# Altium PCB eva01.PcbDoc (part 2 of 4)
Units mm, origin at the board's own origin, x right, y up, seen from the top; angles counter-clockwise.
Board outline 84 x 120 mm, 4 copper layers (Top Layer, Inner, GND, Bottom Layer), stack 1.668 mm thick; 205 components, 261 nets, 1028 pads, 1169 vias.
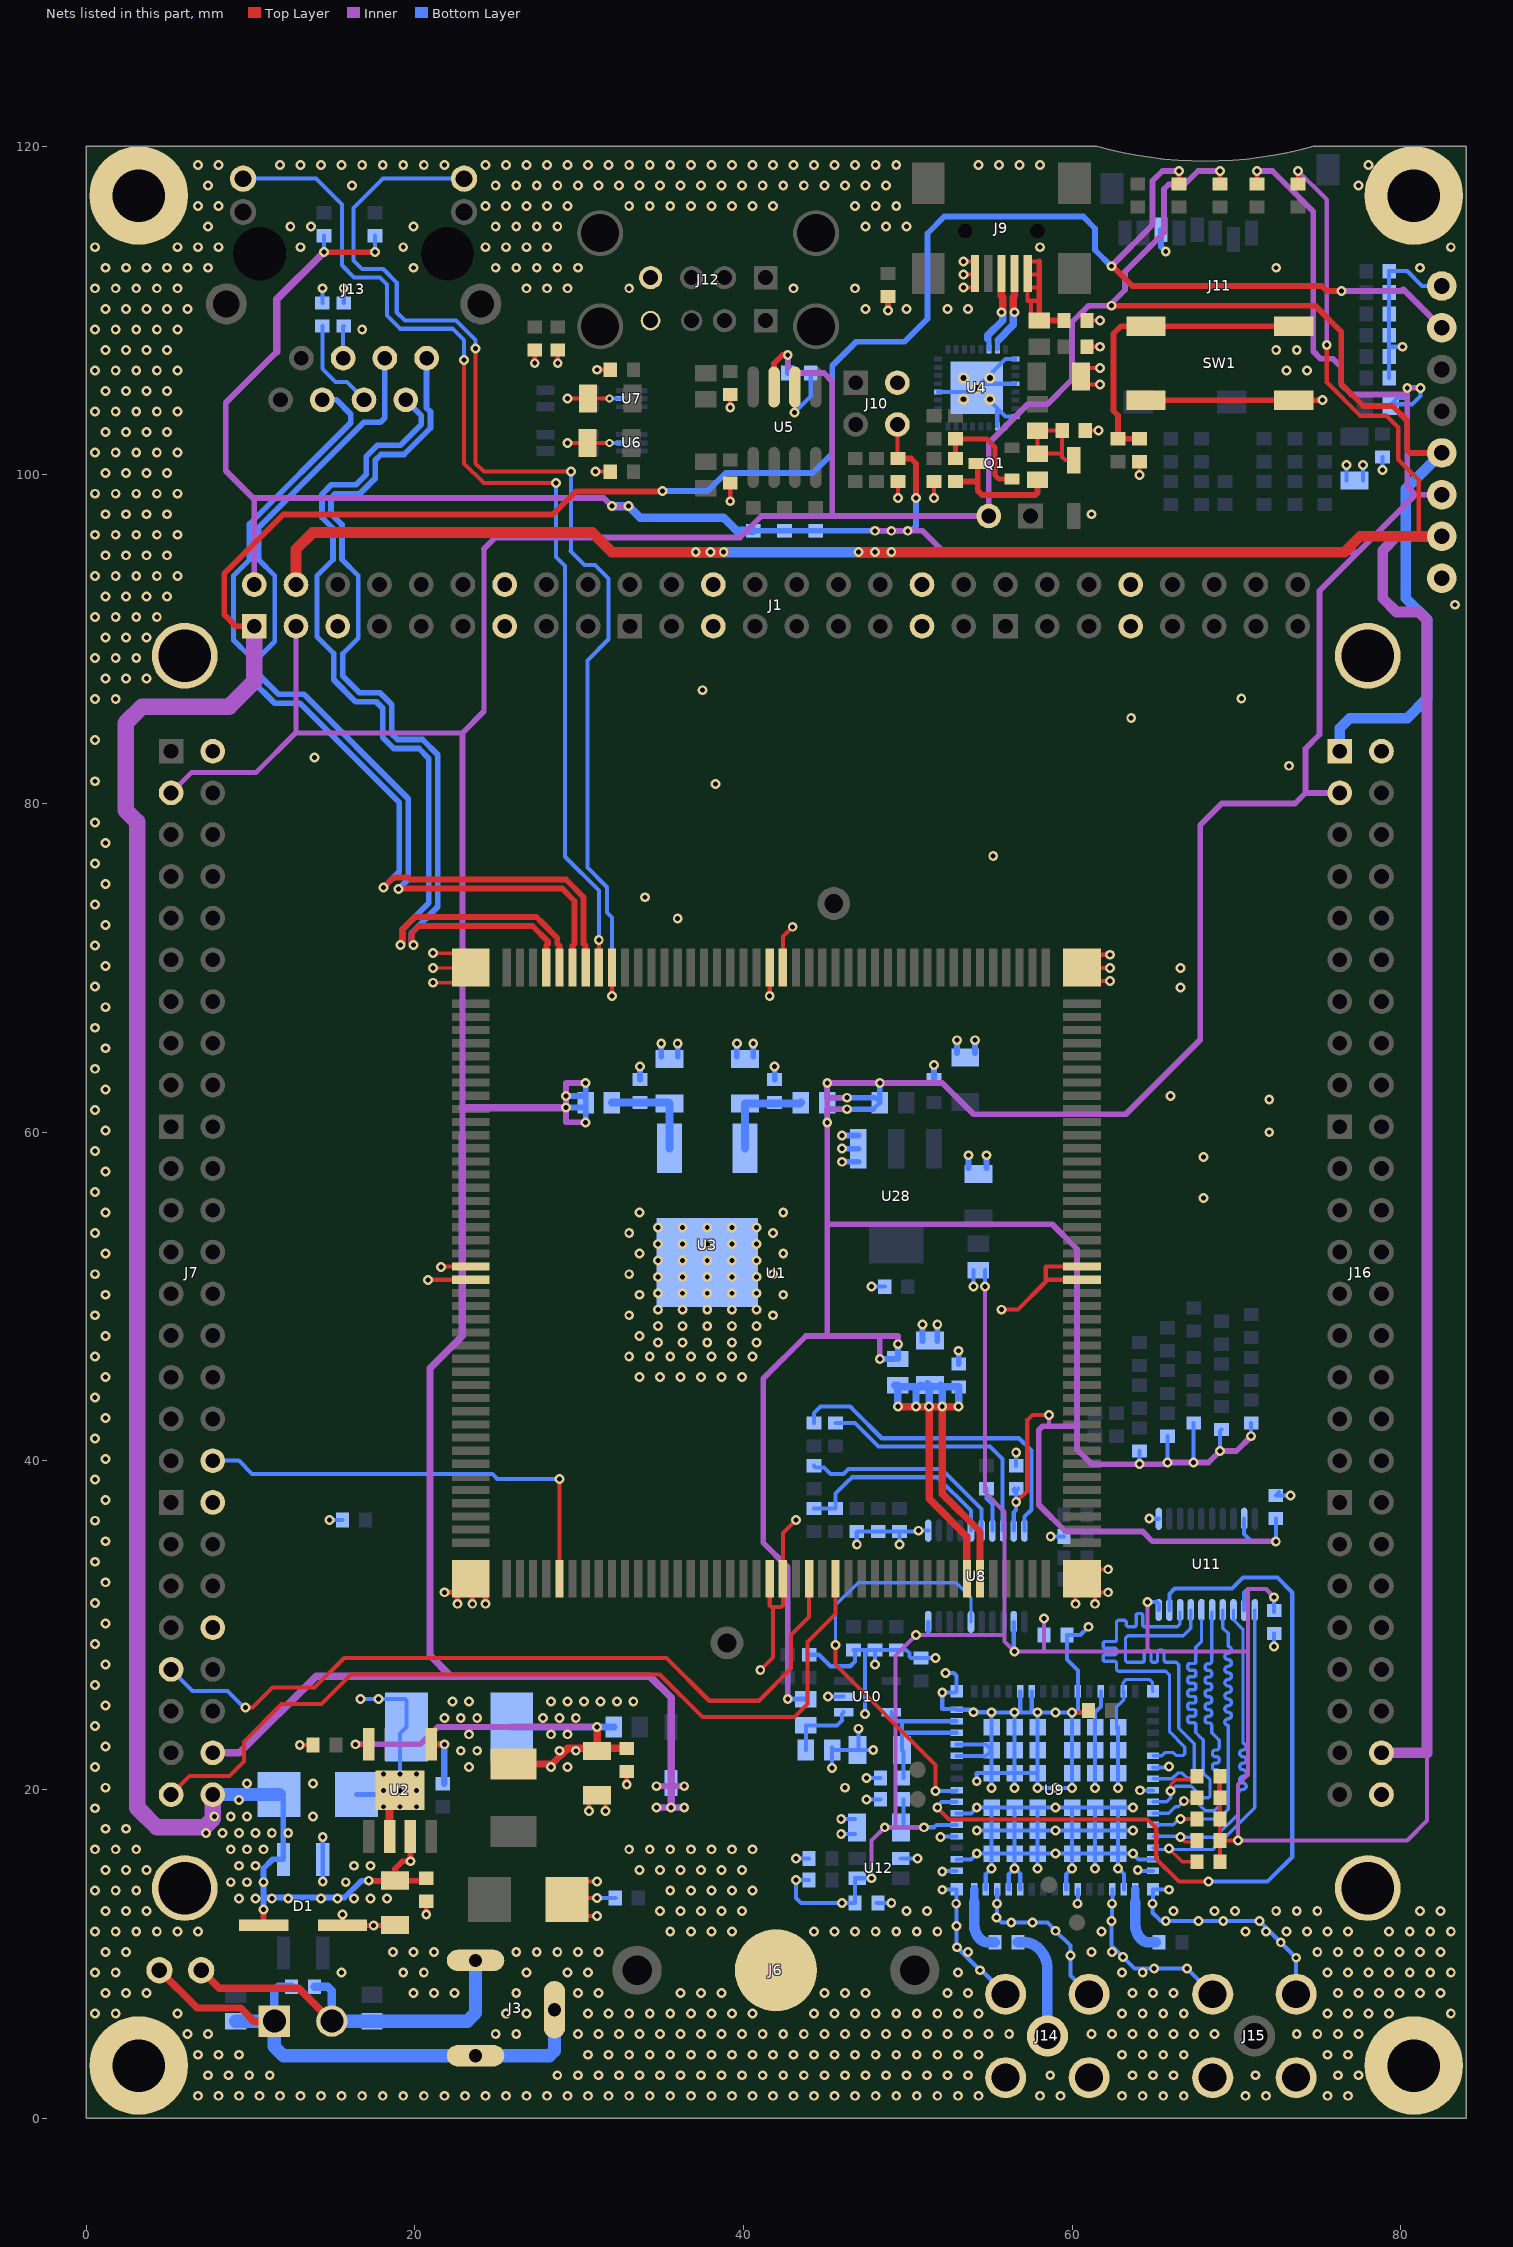
[diagram p4: the nets of this part, all layers, seen from the top]

## Via types
v1: diameter 0.6, hole 0.3, Top Layer to Bottom Layer, 1165 vias
v2: diameter 0.5, hole 0.25, Top Layer to Bottom Layer, 4 vias

## Nets (pads, with @x,y where several pads share a name; then routed paths per layer and width w, separated by ;. In a path a pad name is that pad's centre, name@x,y a point inside that pad or via, vN(x,y) a via of type N, cw(c..) or ccw(c..) an arc to the next point about the centre after c; other vN are vias at no path point) (continued)
+1.8V: C35.2 C38.2 C42.2 C43.2 C44.2 D17.1 J1.4 J16.50 L16.1 R87.1 R89.1 R90.1 R91.1 R92.1 R93.1 Tp4.1 U8.2 U8.10 U9.38 U11.2 U11.10 U12.4 | length 317.8
  Top Layer w0.25: R89.1@68.8,16.9 R89.1@69,16.9 ; R93.1@69,15.6 R89.1@69,16.9 ; R90.1@69,20.8 69.1,20.8 69,20.7 R91.1@69,19.5 ; R91.1@69.1,19.6 R91.1@69,19.5 ; v1(70.1,16.9) R89.1@69,16.9 ; D17.1@73.75,117.7 v1(73.75,118.5) ; v1(75.5,107.9) 75.5,105.655 77.555,103.6 79.15,103.6 79.85,102.9 79.85,100.95 81.1,99.7 81.1,96.26 ; R89.1@69,16.9 R91.1@69,19.5
  Top Layer w0.65: J1.4@12.77,93.33 12.77,95.47 13.8,96.5 30.8,96.5 32,95.3 v1(37.1,95.3) v1(38,95.3) v1(38.8,95.3) ; v1(47,95.3) v1(48,95.3) v1(49,95.3) 76.58,95.3 77.54,96.26 81.1,96.26 Tp4.1@82.5,96.26
  Inner w0.25: v1(47.8,14.6) 47.8,16.9 v1(48.6,17.7) 49.25,17.7 ; v1(51,17.7) 51,17.85 50.85,17.7 49.25,17.7 ; v1(54.7,50.6) 54.7,38.1 55.9,36.9 55.9,29.4 ; v1(58.3,30.4) 58.3,28.4 ; v1(64.6,31.4) 64.6,28.5 64.5,28.4 ; v1(72.3,31.7) 71.8,32.2 70.7,32.2 70.7,28.5 ; v1(73.75,118.5) 75.5,116.75 v1(75.5,107.9) ; 81.6,22.2 81.6,18.1 80.4,16.9 v1(70.1,16.9) 70.1,20.3 70.7,20.9 70.7,28.5 ; 49.25,17.7 49.25,28.15 v1(50.5,29.4) 55.9,29.4 ; 55.9,29.4 55.9,29 v1(56.5,28.4) 58.3,28.4 ; 58.3,28.4 64.5,28.4 ; 64.5,28.4 70.6,28.4 70.7,28.5
  Inner w0.65: J16.50@78.83,22.23 81.57,22.23 81.6,22.2 81.6,91.16 81.1,91.66 79.74,91.66 78.9,92.5 78.9,95.4 79.76,96.26 Tp4.1@82.5,96.26
  Bottom Layer w0.25: R87.1@44,14.5 v1(43.2,14.5) 43.2,13.4 43.5,13.1 v1(46,13.1) C44.2@46.8,13.1 46.8,14.475 U12.4@46.925,14.6 ; U12.4@46.8,14.6 U12.4@46.925,14.6 ; v1(47.8,14.6) U12.4@46.925,14.6 ; v1(48.6,17.7) C42.2@49.6,17.7 ; C43.2@49.75,19.4 49.75,17.85 C42.2@49.6,17.7 ; v1(50.5,29.4) 51.2,29.4 51.25,29.45 U8.10@51.25,30.2 ; U9.38@52.975,17.85 51.75,17.85 51.6,17.7 v1(51,17.7) C42.2@49.6,17.7 ; v1(54,50.6) L16.1@54,51.6 ; v1(54.7,50.6) L16.1@54.7,51.6 ; U8.2@56.45,30.2 56.45,28.4 v1(56.5,28.4) ; C35.2@58.3,29.4 v1(58.3,30.4) ; v1(64.6,31.4) 65.175,31.4 65.275,31.3 U11.10@65.275,30.925 ; U11.2@70.475,30.925 70.475,31.975 70.7,32.2 71.8,32.2 v1(72.3,31.7) C38.2@72.3,30.8
  Bottom Layer w0.65: v1(37.1,95.3) v1(38,95.3) v1(38.8,95.3) v1(47,95.3) v1(48,95.3) v1(49,95.3)
+3.3V: C23.1 C36.2 C37.2 D5.1 J1.2 J10.4 J16.3 L1.1 L7.1 L12.1 L13.2 L15.1 R9.1 R50.1 R53.1 R55.2 R56.2 R72.1 R73.1 R74.1 R75.1 R76.1 Tp9.1 U8.19 U11.19 | length 356.8
  Top Layer w0.25: C23.1@49.37,100.97 J10.4@49.37,103.07 ; v1(56.6,37.5) 57.275,38.175 57.275,42.475 57.6,42.8 v1(58.6,42.8) ; D5.1@71.25,117.7 v1(71.25,118.5) ; J16.3@76.27,80.63 J16.3@76.29,80.65
  Top Layer w0.35: v1(14.475,113.56) v1(17.575,113.56) ; C23.1@49.4,101 50.2,101 50.5,100.7 v1(50.5,98.6)
  Inner w0.25: 58.6,42.1 v1(58.6,42.8)
  Inner w0.35: J1.2@10.23,93.33 10.23,98.52 ; 11.6,107.5 8.5,104.4 8.5,100.25 10.23,98.52 ; v1(33,98.1) v1(32,98.1) 31.5,98.6 10.31,98.6 10.23,98.52 ; v1(42.7,25.5) 42.7,33.531 41.2,35.031 41.2,45 43.8,47.6 45.1,47.6 ; v1(46.3,61.4) 45.1,61.4 ; v1(46.3,62.1) 45.1,62.1 ; v1(48,96.6) v1(49,96.6) 50.9,96.6 52.2,95.3 77.4,95.3 ; v1(48.3,46.2) 48.3,47.6 ; v1@48.325,62.975 v1(48.3,63) ; v1(49.4,47.1) 49.4,47.6 48.3,47.6 ; v1(70.9,41.5) 70,40.6 v1(69,40.6) 68.3,39.9 v1(67.4,39.9) v1(65.8,39.9) 65.7,39.8 v1(64.1,39.8) 61.2,39.8 60.3,40.7 60.3,42.1 ; v1(71.25,118.5) 72.2,118.5 74.675,116.025 74.675,107.525 75.125,107.075 75.875,107.075 76.375,106.575 76.375,105.525 77,104.9 80.4,104.9 ; v1(72.4,35.1) 64.9,35.1 64.3,35.7 59.6,35.7 57.975,37.325 57.975,41.875 58.2,42.1 58.6,42.1 60.3,42.1 ; J16.3@76.29,80.65 74.2,80.65 ; v1(81.2,105.3) v1(80.4,105.3) 80.4,104.9 ; Tp9.1@82.5,98.8 80.9,98.8 ; 45.1,47.6 48.3,47.6 ; 45.1,47.6 45.1,54.4 ; 45.1,54.4 58.8,54.4 60.3,52.9 60.3,42.1 ; 45.1,54.4 v1(45.1,60.6) 45.1,61.4 ; 45.1,61.4 45.1,62.1 ; 45.1,62.1 v1(45.1,63) v1(48.3,63) ; v1(48.3,63) 52.1,63 54,61.1 63.267,61.1 67.8,65.633 67.8,78.7 69.112,80.012 73.562,80.012 74.2,80.65 ; 74.2,80.65 74.2,83.343 75.057,84.2 75.057,92.957 77.4,95.3 ; 77.4,95.3 80.9,98.8 ; 80.4,104.9 80.4,99.3 80.9,98.8
  Inner w0.45: 11.6,107.5 11.6,110.685 v1(14.475,113.56)
  Bottom Layer w0.25: v1(14.475,113.56) R56.2@14.475,114.56 ; v1(17.575,113.56) R55.2@17.575,114.56 ; L15.1@45.1,61.4 L15.1@45.1,61.8 ; L12.1@47.9,61.4 L12.1@48.3,61.8 L12.1@48,62.1 ; U8.19@56.45,35.75 56.45,36.85 56.6,37 v1(56.6,37.5) C36.2@56.6,38.2 ; C36.2@56.45,38.25 56.5,38.3 C36.2@56.6,38.2 ; C36.2@56.5,38.1 C36.2@56.6,38.2 ; C36.2@56.7,38.3 C36.2@56.6,38.2 ; v1(64.1,39.8) R74.1@64.1,40.6 ; v1(65.8,39.9) R73.1@65.8,41.5 ; v1(67.4,39.9) R75.1@67.4,42.3 ; v1(69,40.6) 69,41.8 R72.1@69.1,41.9 ; U11.19@70.475,36.475 70.475,35.54 70.915,35.1 v1(72.4,35.1) C37.2@72.4,36.5 ; v1(70.9,41.5) R76.1@70.9,42.3 ; v1(80.4,105.3) 80.4,104.9 80.2,104.7 79.8,104.7 L7.1@79.4,104.3 80.7,104.3 81.2,104.8 v1(81.2,105.3)
  Bottom Layer w0.3: v1(42.7,25.5) L13.2@43.8,25.5
  Bottom Layer w0.35: R50.1@40.6,96.6 R9.1@42.5,96.6 R53.1@44.4,96.6 v1(48,96.6) v1(49,96.6) 50.2,96.6 50.5,96.9 v1(50.5,98.6) ; v1(45.1,60.6) 45.1,61.4 v1(46.3,61.4) L12.1@47.9,61.4 ; v1(45.1,63) 45.1,62.1 v1(46.3,62.1) L12.1@48,62.1 ; v1(48.3,46.2) L1.1@49.2,46.2 ; L12.1@48.3,61.8 v1(48.3,63) ; L1.1@49.4,46.2 v1(49.4,47.1)
  Bottom Layer w0.5: v1(32,98.1) v1(33,98.1) 33.7,97.4 38.8,97.4 39.6,96.6 R50.1@40.6,96.6
  other v1: 50,96.6
+3.3V_MOD: C1.1 C2.1 L1.2 U1.162 U1.163 | length 37
  Top Layer w0.45: v1(49.4,43.3) v1(50.5,43.3) v1(51.3,43.3) ; v1(53.1,43.3) v1(52.1,43.3) ; U1.162@53.6,32.82 53.6,35.4 51.3,37.7 v1(51.3,43.3) ; U1.163@54.4,32.82 54.4,35.7 52.1,38 v1(52.1,43.3) ; v1(51.3,43.3) v1(52.1,43.3)
  Bottom Layer w0.45: L1.2@49.2,44.6 49.3,44.5 L1.2@49.4,44.5 ; v1(49.4,43.3) L1.2@49.4,44.5 ; L1.2@49.4,44.6 L1.2@49.4,44.5 ; v1(50.5,43.3) 50.5,44.3 C1.1@50.7,44.5 ; C1.1@50.8,44.6 C1.1@50.7,44.5 ; C1.1@51.2,44.7 51.3,44.6 C1.1@51.3,44.5 ; v1(51.3,43.3) C1.1@51.3,44.5 ; C1.1@52,44.6 C1.1@52.1,44.5 ; v1(52.1,43.3) C1.1@52.1,44.5 ; v1(53.1,43.3) C2.1@53.1,44.3 ; C2.1@53.1,44.5 C1.1@52.1,44.5 ; L1.2@49.4,44.5 C1.1@50.7,44.5 ; C1.1@50.7,44.5 C1.1@51.3,44.5 ; C1.1@51.3,44.5 C1.1@52.1,44.5
+5V: C28.1 D4.1 D6.1 J1.3 J4.2 J7.3 J7.50 J16.1 L5.1 Tp10.1 U5.7 | length 285.6
  Top Layer w0.25: D4.1@69,117.7 v1(69,118.5)
  Top Layer w0.35: U5.7@41.865,105.35 41.865,106.785 42.38,107.3 v1(42.7,107.3) ; v1(62.4,110.3) 74.8,110.3 76.375,108.725 76.375,105.558 77.733,104.2 79.5,104.2 80.4,103.3 80.4,101.5 80.56,101.34 Tp10.1@82.5,101.34
  Inner w0.3: J7.3@5.17,80.65 6.42,81.9 8.228,81.9 10.344,81.9 12.77,84.326 J1.3@12.77,90.79 ; 12.796,84.3 22.9,84.3 ; 24.2,85.6 24.2,95.5
  Inner w0.35: 22.9,59.8 22.9,61.5 22.9,84.3 24.2,85.6 ; 24.2,95.5 24.9,96.2 39.8,96.2 41.1,97.5 45.4,97.5 ; v1(30.4,60.6) 29.2,60.6 v1(29.2,61.5) v1(29.2,62.2) 29.2,63 v1(30.4,63) ; v1(34.7,18.9) v1(35.6,18.9) v1(36.4,18.9) ; v1(34.7,20.2) 35.6,20.2 v1(36.4,20.2) ; v1(42.7,107.3) 42.7,106.6 43.1,106.2 44.9,106.2 45.4,105.7 45.4,97.5 ; v1(69,118.5) 67.667,118.5 66.842,117.675 65.875,117.675 65.6,117.4 65.6,114.743 63.225,112.368 63.225,111.258 62.4,110.433 v1(62.4,110.3) 61,110.3 60,109.3 60,105.8 58.5,104.3 57.3,104.3 54.93,101.93 J4.2@54.93,97.5 45.4,97.5
  Inner w0.45: J7.50@7.71,22.23 9.33,22.23 14,26.9 22.2,26.9 ; 22.9,59.8 22.9,47.6 20.925,45.625 20.925,28.175 22.2,26.9 ; 22.9,61.5 v1(29.2,61.5) ; v1(35.6,18.9) 35.6,20.2 35.6,25.6 34.3,26.9 22.2,26.9
  Bottom Layer w0.35: v1(29.2,61.5) L5.1@30.4,61.5 ; v1(29.2,62.2) L5.1@30.4,62.2 ; v1(30.4,60.6) L5.1@30.4,61.5 ; v1(30.4,63) L5.1@30.4,62.2 ; v1(34.7,18.9) v1(35.6,18.9) ; v1(34.7,20.2) D6.1@35.6,20.2 ; D6.1@35.6,20.4 D6.1@35.6,20.2 ; v1(36.4,18.9) v1(35.6,18.9) ; v1(36.4,20.2) D6.1@35.6,20.2 ; C28.1@42.7,106.2 v1(42.7,107.3) ; L5.1@30.4,61.5 L5.1@30.4,61.8 L5.1@30.4,62.2 ; v1(35.6,18.9) D6.1@35.6,20.2
  Bottom Layer w0.65: J16.1@76.29,83.19 76.29,84.59 76.9,85.2 80.4,85.2 81.6,86.4 81.6,91.2 80.3,92.5 80.3,99.14 Tp10.1@82.5,101.34
+5V_OUT: C5.1 C10.1 C11.2 L4.2 L17.2 U2.4 | length 31.1
  Top Layer w0.25: v1(16.4,22.75) U2.4@17.195,22.75 ; C10.1@31.1,22.35 31.25,22.5 C10.1@31.1,22.5
  Top Layer w0.45: L4.2@26,21.55 28.35,21.55 29.3,22.5 C10.1@31.1,22.5 ; C10.1@31.1,22.35 C10.1@31.1,22.5 ; v1(31.1,23.8) C10.1@31.1,22.5 ; C10.1@31.25,22.5 C11.2@32.9,22.5
  Inner w0.35: v1(16.4,22.75) 20.35,22.75 21.4,23.8 v1(31.1,23.8)
  Bottom Layer w0.45: C5.1@25.9,23.8 v1(31.1,23.8) L17.2@32.1,23.8
  other v1: 23.299,21.359 28.299,21.359 29.299,21.359 22.799,22.359 23.799,22.359 28.799,22.359 29.799,22.359 23.299,23.359 28.299,23.359 29.299,23.359 21.799,24.359 22.799,24.359 23.799,24.359 27.799,24.359 28.799,24.359 29.799,24.359 22.299,25.359 23.299,25.359 28.299,25.359 29.299,25.359 30.299,25.359 31.299,25.359 32.299,25.359 33.299,25.359
+24V: C4.1 C6.2 C7.1 C8.1 D1.+ D2.1 D3.1 J1.1 J7.52 Tp11.1 U2.7 | length 224.4
  Top Layer w0.25: D3.1@66.5,117.7 v1(66.5,118.5)
  Top Layer w0.35: J1.1@10.23,90.79 9.11,90.79 8.4,91.5 8.4,94 12,97.6 28.4,97.6 29.8,99 35.05,99 v1(35.075,99.025) ; C4.1@10.8,11.725 v1@10.8,12.7 ; v1(17.2,14.45) C7.1@18.8,14.45 ; U2.7@19.735,17.15 v1(19.735,15.635) 19.255,15.635 18.8,15.18 C7.1@18.8,14.45 ; C6.2@20.7,14.6 20.55,14.45 C7.1@18.8,14.45 ; v1(62.39,112.7) 62.466,112.7 63.666,111.5 75.2,111.5 75.5,111.2 v1(76.4,111.2)
  Inner w0.35: v1(62.39,112.7) 64.9,115.21 64.9,117.9 65.5,118.5 v1(66.5,118.5) ; v1(76.4,111.2) 80.06,111.2 80.16,111.3 Tp11.1@82.5,108.96 Tp11.1@82.3,108.96
  Inner w1: J7.52@7.71,19.69 7.71,18.21 7.2,17.7 4.3,17.7 3.1,18.9 3.1,78.9 2.4,79.6 2.4,84.9 3.4,85.9 8.7,85.9 10.23,87.43 J1.1@10.23,90.79
  Bottom Layer w0.35: v1(10.8,12.7) 10.8,13.425 ; D2.1@11.75,19.7 12,19.451 D1.+@12,15.75 11.35,15.75 10.8,15.2 10.8,13.425 ; C8.1@18.8,14.45 v1(17.2,14.45) 16.75,14.45 15.725,13.425 10.8,13.425 ; v1(35.075,99.025) 37.825,99.025 38.925,100.125 44.225,100.125 45.4,101.3 ; 45.4,105.395 45.4,101.3 ; v1(62.39,112.7) 61.4,113.69 61.4,115 60.675,115.725 52.225,115.725 51.2,114.7 51.2,109.5 49.8,108.1 46.865,108.1 45.405,106.64 45.405,101.305 45.4,101.3
  Bottom Layer w0.8: J7.52@7.71,19.69 11.741,19.69 D2.1@11.75,19.7
  other v1: 9.299,13.359 10.299,13.359 11.299,13.359 12.299,13.359 14.299,13.359 15.299,13.359 16.299,13.359 17.299,13.359 18.299,13.359 8.799,14.359 9.799,14.359 10.799,14.359 15.799,14.359 9.299,15.359 10.299,15.359 16.299,15.359 17.299,15.359 8.799,16.359 9.799,16.359 10.799,16.359 7.299,17.359 8.299,17.359 9.299,17.359 10.299,17.359 11.299,17.359 12.299,17.359 7.799,18.359 8.799,18.359 9.799,18.359 13.799,18.359 9.299,19.359 9.799,20.359 13.799,20.359
+VIN: C3.2 J2.2 J3.1 L2.1 Tp1.1 | length 24.4
  Top Layer w0.45: Tp1.1@7,9 8.1,7.9 12.95,7.9 J2.2@14.95,5.9
  Bottom Layer w0.5: C3.2@13.9,8 14.7,8 14.95,7.75 J2.2@14.95,5.9
  Bottom Layer w0.8: J2.2@14.95,5.9 L2.1@17.4,5.9 23.2,5.9 23.7,6.4 J3.1@23.7,9.6
-VIN: C3.1 J2.1 J3.2 J3.3 L3.1 Tp2.1 | length 35.1
  Top Layer w0.45: Tp2.1@4.46,9 6.76,6.7 9.4,6.7 10.2,5.9 J2.1@11.45,5.9
  Bottom Layer w0.5: J2.1@11.45,5.9 11.45,7.75 11.7,8 C3.1@12.5,8
  Bottom Layer w0.8: L3.1@9.1,5.9 J2.1@11.45,5.9 11.45,4.35 12,3.8 J3.2@23.7,3.8 28.2,3.8 28.5,4.1 J3.3@28.5,6.6
ADCREF_EXT: J7.45 U1.150 | length 47.7
  Top Layer w0.25: v1(9.7,25) 10.131,25 11.331,26.2 13.907,26.2 15.707,28 35.321,28 37.921,25.4 40.938,25.4 42.9,27.362 42.9,29.393 44,30.493 U1.150@44,32.82
  Bottom Layer w0.25: J7.45@5.17,27.31 6.48,26 8.6,26 9.6,25 v1(9.7,25)
BOOT_RECOVERY: J7.51 U1.152 | length 52.2
  Top Layer w0.25: J7.51@5.17,19.69 6.295,20.815 8.715,20.815 9.6,21.7 9.6,22.9 11.9,25.2 14.321,25.2 16.121,27 34.907,27 37.507,24.4 43.1,24.4 43.9,25.2 43.9,28.979 45.6,30.679 U1.152@45.6,32.82
BT_CTS: R60.2 U8.16 | length 12.9
  Bottom Layer w0.25: R60.2@44.3,39.7 44.4,39.6 44.9,39.6 45.3,39.2 46.1,39.2 46.4,39.5 52.064,39.5 54.5,37.064 U8.16@54.5,35.75
BT_EN: R10.2 R11.2 U8.15 | length 12.9
  Bottom Layer w0.25: R10.2@44.3,37.1 R11.2@45.6,37.1 45.6,38 46.3,38.7 46.307,38.7 46.607,39 51.821,39 53.85,36.971 U8.15@53.85,35.75
BT_EN_1V8: U8.6 U9.41 | length 25.8
  Top Layer w0.25: v1(45.6,28.8) 45.6,27.6 51.7,21.5 v1(51.7,19.9)
  Bottom Layer w0.2: v1(45.6,28.8) 45.6,31.2 46.975,32.575 52.946,32.575 53.85,31.671 U8.6@53.85,30.2
  Bottom Layer w0.25: v1(51.7,19.9) 52.925,19.9 U9.41@52.975,19.95
BT_RTS: R57.2 U8.17 | length 2.7
  Bottom Layer w0.25: R57.2@54.8,38.3 54.8,37.7 55.15,37.35 U8.17@55.15,35.75
BT_RXD: R59.2 U8.18 | length 15.4
  Bottom Layer w0.25: R59.2@45.6,42.3 46.786,42.3 48.211,40.875 55.005,40.875 55.775,40.105 55.775,35.775 U8.18@55.8,35.75
BT_TXD: R58.2 U8.20 | length 20.2
  Bottom Layer w0.25: R58.2@44.3,42.3 44.3,42.9 44.7,43.3 46.5,43.3 46.8,43 ; 46.796,42.996 48.418,41.375 56.78,41.375 57.525,40.63 57.525,37.025 57.1,36.6 U8.20@57.1,35.75 U8.20@57.125,35.775
CLK: U9.8 U11.7 | length 22.5
  Bottom Layer w0.2: U9.8@64.925,20.65 66.069,20.65 66.419,21 66.7,21 66.8,20.9 67,20.7 67.3,20.7 67.436,20.836 67.436,22.786 66.485,23.738 66.485,27.6 66.335,27.75 66.2,27.75 66,27.75 65.72,27.75 cw(c65.72,27.87) 65.6,27.87 65.6,28.351 ccw(c65.48,28.351) 65.48,28.471 65.32,28.471 ccw(c65.32,28.351) 65.2,28.351 65.2,27.87 cw(c65.08,27.87) 65.08,27.75 64.92,27.75 cw(c64.92,27.87) 64.8,27.87 64.8,28.351 ccw(c64.68,28.351) 64.68,28.471 64.52,28.471 ccw(c64.52,28.351) 64.4,28.351 64.4,27.87 cw(c64.28,27.87) 64.28,27.75 63.7,27.75 63.35,27.75 63.25,27.85 63.25,29.2 63.4,29.35 66.775,29.35 67.225,29.8 U11.7@67.225,30.925
CMD: U9.6 U11.8 | length 22.8
  Bottom Layer w0.2: U9.6@64.925,22.05 65.45,22.05 65.65,22.25 66.15,22.25 66.325,22.075 66.775,22.075 66.861,22.161 66.861,22.583 65.935,23.51 65.935,26.965 65.7,27.2 62.8,27.2 62.7,27.3 62.7,27.6 62.7,27.68 ccw(c62.58,27.68) 62.58,27.8 62.014,27.8 cw(c62.014,27.92) 61.894,27.92 61.894,28.08 cw(c62.014,28.08) 62.014,28.2 62.58,28.2 ccw(c62.58,28.32) 62.7,28.32 62.7,28.48 ccw(c62.58,28.48) 62.58,28.6 62.014,28.6 cw(c62.014,28.72) 61.894,28.72 61.894,28.88 cw(c62.014,28.88) 62.014,29 62.58,29 ccw(c62.58,29.12) 62.7,29.12 62.7,30.2 62.8,30.3 63.2,30.3 63.3,30.2 63.3,30 63.4,29.9 63.78,29.9 ccw(c63.78,30.02) 63.9,30.02 63.9,30.586 cw(c64.02,30.586) 64.02,30.706 64.18,30.706 cw(c64.18,30.586) 64.3,30.586 64.3,30.02 ccw(c64.42,30.02) 64.42,29.9 64.5,29.9 66.4,29.9 66.575,30.075 U11.8@66.575,30.8
D0: R90.2 U9.10 U11.6 | length 21.2
  Top Layer w0.2: v1(66,19.9) 66,20.3 66.3,20.6 67.2,20.6
  Bottom Layer w0.2: U9.10@64.925,19.25 65.75,19.25 66,19.5 v1(66,19.9) 66.3,20.2 67.25,20.2 67.95,19.5 68.3,19.5 68.4,19.6 68.4,20.586 67.986,21 67.986,21.2 67.986,21.4 67.986,21.8 67.986,22.2 67.986,22.6 67.986,23 67.986,23.014 67.845,23.155 67.562,23.438 67.536,23.464 67.536,23.664 67.536,23.944 ccw(c67.416,23.944) 67.416,24.064 67.168,24.064 cw(c67.168,24.184) 67.048,24.184 67.048,24.344 cw(c67.168,24.344) 67.168,24.464 67.416,24.464 ccw(c67.416,24.584) 67.536,24.584 67.536,24.744 ccw(c67.416,24.744) 67.416,24.864 67.168,24.864 cw(c67.168,24.984) 67.048,24.984 67.048,25.144 cw(c67.168,25.144) 67.168,25.264 67.416,25.264 ccw(c67.416,25.384) 67.536,25.384 67.536,25.544 ccw(c67.416,25.544) 67.416,25.664 67.168,25.664 cw(c67.168,25.784) 67.048,25.784 67.048,25.944 cw(c67.168,25.944) 67.168,26.064 67.416,26.064 ccw(c67.416,26.184) 67.536,26.184 67.536,26.344 ccw(c67.416,26.344) 67.416,26.464 67.168,26.464 cw(c67.168,26.584) 67.048,26.584 67.048,26.744 cw(c67.168,26.744) 67.168,26.864 67.416,26.864 ccw(c67.416,26.984) 67.536,26.984 67.536,27.144 ccw(c67.416,27.144) 67.416,27.264 67.168,27.264 cw(c67.168,27.384) 67.048,27.384 67.048,27.544 cw(c67.168,27.544) 67.168,27.664 67.416,27.664 ccw(c67.416,27.784) 67.536,27.784 67.536,28.3 67.536,28.658 67.875,28.997 U11.6@67.875,30.3
D1: R91.2 U9.11 U11.5 | length 21.3
  Top Layer w0.2: v1(66.8,19.3) 67.6,19.3 R91.2@67.7,19.3
  Bottom Layer w0.2: U9.11@64.925,18.55 65.889,18.55 66.289,18.95 66.45,18.95 v1(66.8,19.3) 67.5,19.3 68.1,18.7 68.65,18.7 68.95,19 68.95,20 68.95,20.4 68.95,20.8 68.95,21.04 ccw(c68.79,21.04) 68.79,21.2 68.71,21.2 cw(c68.71,21.36) 68.55,21.36 68.55,21.44 cw(c68.71,21.44) 68.71,21.6 68.79,21.6 ccw(c68.79,21.76) 68.95,21.76 68.95,21.84 ccw(c68.79,21.84) 68.79,22 68.71,22 cw(c68.71,22.16) 68.55,22.16 68.55,22.24 cw(c68.71,22.24) 68.71,22.4 68.79,22.4 ccw(c68.79,22.56) 68.95,22.56 68.95,22.8 68.95,23 68.809,23.141 68.526,23.424 68.5,23.45 68.5,23.65 68.5,23.89 ccw(c68.34,23.89) 68.34,24.05 68.26,24.05 cw(c68.26,24.21) 68.1,24.21 68.1,24.29 cw(c68.26,24.29) 68.26,24.45 68.34,24.45 ccw(c68.34,24.61) 68.5,24.61 68.5,24.69 ccw(c68.34,24.69) 68.34,24.85 68.26,24.85 cw(c68.26,25.01) 68.1,25.01 68.1,25.09 cw(c68.26,25.09) 68.26,25.25 68.34,25.25 ccw(c68.34,25.41) 68.5,25.41 68.5,25.49 ccw(c68.34,25.49) 68.34,25.65 68.26,25.65 cw(c68.26,25.81) 68.1,25.81 68.1,25.89 cw(c68.26,25.89) 68.26,26.05 68.34,26.05 ccw(c68.34,26.21) 68.5,26.21 68.5,26.29 ccw(c68.34,26.29) 68.34,26.45 68.26,26.45 cw(c68.26,26.61) 68.1,26.61 68.1,26.69 cw(c68.26,26.69) 68.26,26.85 68.34,26.85 ccw(c68.34,27.01) 68.5,27.01 68.5,27.09 ccw(c68.34,27.09) 68.34,27.25 68.26,27.25 cw(c68.26,27.41) 68.1,27.41 68.1,27.49 cw(c68.26,27.49) 68.26,27.65 68.34,27.65 ccw(c68.34,27.81) 68.5,27.81 68.5,28.2 68.5,30.775 U11.5@68.525,30.8
D2: R92.2 U9.12 U11.4 | length 21
  Top Layer w0.2: v1(66.6,18.2) 67.3,18.2 67.45,18.05 R92.2@67.5,18
  Bottom Layer w0.2: U9.12@64.925,17.85 66.15,17.85 66.5,18.2 v1(66.6,18.2) 68.9,18.2 69.5,18.8 69.5,19.5 69.5,19.9 69.5,20.3 69.5,20.7 69.5,21.1 69.5,21.5 69.5,21.9 69.5,22.3 69.5,22.7 69.5,23.1 69.5,23.5 69.5,23.9 cw(c69.5,24.1) 69.5,24.3 ccw(c69.5,24.5) 69.5,24.7 cw(c69.5,24.9) 69.5,25.1 ccw(c69.5,25.3) 69.5,25.5 cw(c69.5,25.7) 69.5,25.9 ccw(c69.5,26.1) 69.5,26.3 cw(c69.5,26.5) 69.5,26.7 ccw(c69.5,26.9) 69.5,27.1 cw(c69.5,27.3) 69.5,27.5 ccw(c69.5,27.7) 69.5,27.9 cw(c69.5,28.1) 69.5,28.3 ccw(c69.5,28.5) 69.5,28.7 69.5,29.1 69.5,29.5 69.175,29.825 U11.4@69.175,30.925
D3: R89.2 U9.13 U11.3 | length 21.3
  Top Layer w0.2: v1(66.6,17.1) 66.9,16.8 67.4,16.8 67.45,16.75 R89.2@67.5,16.7
  Bottom Layer w0.2: U9.13@64.925,17.15 66.55,17.15 v1(66.6,17.1) 68.7,17.1 70.1,18.5 70.1,19.8 70.3,20 70.4,20 ccw(c70.4,20.2) 70.4,20.4 cw(c70.4,20.6) 70.4,20.8 ccw(c70.4,21) 70.4,21.2 cw(c70.4,21.4) 70.4,21.6 ccw(c70.4,21.8) 70.4,22 cw(c70.4,22.2) 70.4,22.4 ccw(c70.4,22.6) 70.4,22.8 70.4,28.8 70.4,29.747 69.825,30.322 U11.3@69.825,30.925
EN: U9.40 U11.9 | length 51.9
  Top Layer w0.25: v1(51.8,18.9) 51.8,18.875 52.5,18.175 64.6,18.175 65.125,17.65 65.125,15.775 66.5,14.4 v1(68.3,14.4)
  Bottom Layer w0.25: v1(51.8,18.9) 51.8,19 52.05,19.25 U9.40@52.975,19.25 ; U11.9@65.925,30.925 65.925,31.9 66.25,32.225 69.732,32.225 70.407,32.9 72.5,32.9 73.4,32 73.4,15.9 71.9,14.4 v1(68.3,14.4)
ETH_LEDACTLINK: J13.12 U1.77 | length 65
  Top Layer w0.25: v1(23,107) 23,100.7 24.2,99.5 v1(28.6,99.5) ; U1.77@31.2,70.02 v1(31.2,71.7)